# KiCad board poly_kb.kicad_pcb (continued)
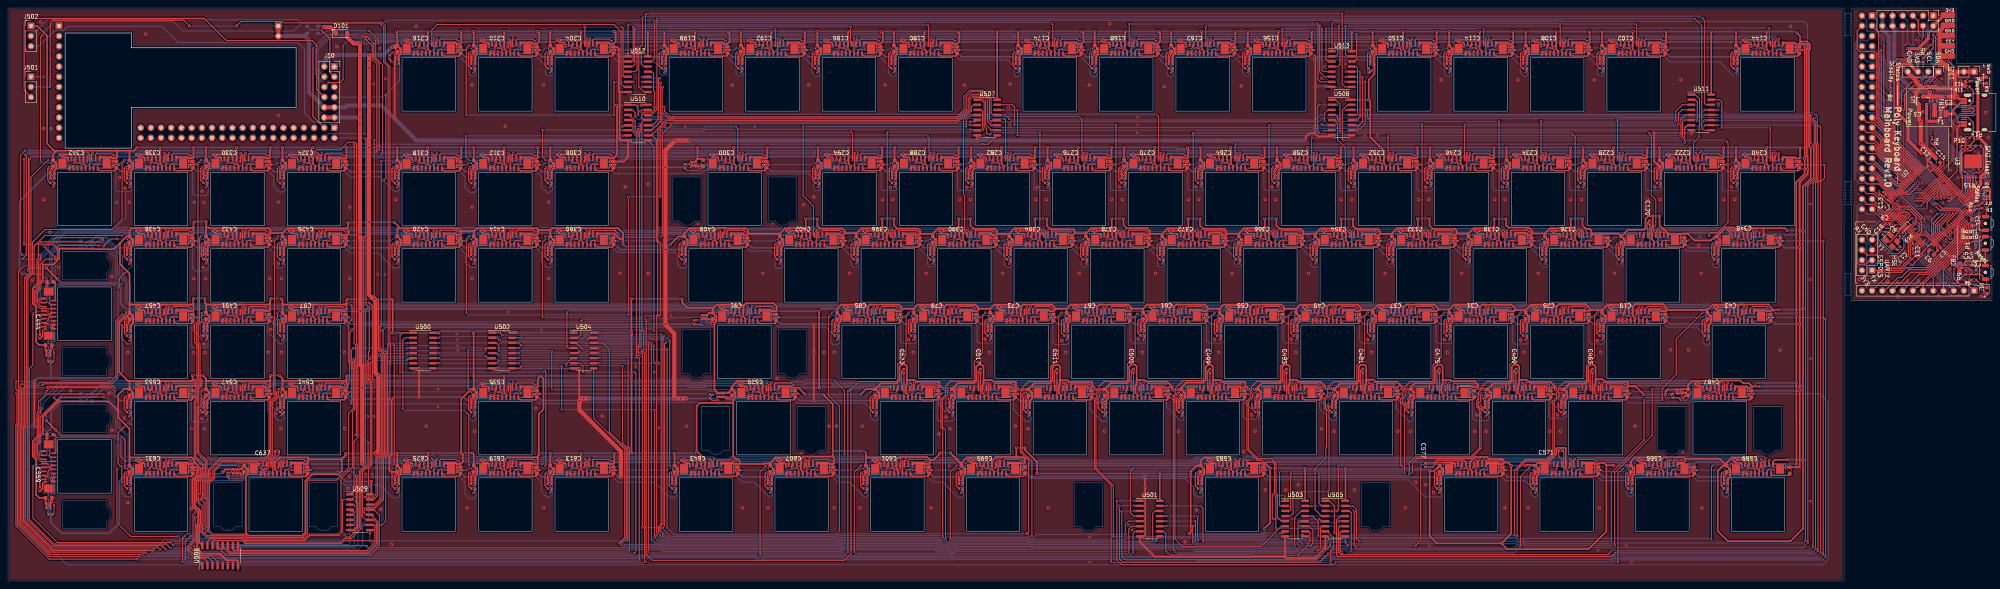
[diagram p0: board, top side]
## Routing (per net, layer and track width the routed paths; a pad name or vN(x,y) marks a point on that pad's centre or on a via; arc(x,y) is an arc through that point) (continued)
NRST: length 31.5
  Top w0.292: SW3.2 491.16,76.48 C1.1 490.06,76.45 R2.2 R9.1 487.33,76.45 v2(485.91,75.03) ; v2(474.47,89.66) 474.47,89.21 U2.14
  Bottom w0.292: v2(474.47,89.66) 474.47,89.58 478.23,85.82 478.23,84.81 477.38,83.96 477.38,81.19 483.49,75.08 485.86,75.08 v2(485.91,75.03)
PB0: length 65
  Top w0.292: v2(481.63,87.95) 481.63,87.94 U2.35
  Bottom w0.292: v2(481.63,87.95) 478.67,90.9 476.5,90.9 470.76,96.63 468.86,96.63 465.38,100.11 465.38,100.9 464.76,101.53 461.22,101.53 460.45,102.3 460.45,133.92 461.22,134.69 462.99,134.69 J7.5
PB1: length 67.6
  Top w0.292: U2.36 483.5,86.77 483.5,86.32 v2(483.69,86.14)
  Bottom w0.292: J7.6 459.96,134.2 459.96,100.25 461.07,99.13 465.66,99.13 468.66,96.14 470.56,96.14 476.3,90.4 478.2,90.4 482.47,86.14 v2(483.69,86.14)
PD10: length 50.9
  Top w0.292: v2(483.02,94.68) 483.48,94.68 U2.57
  Bottom w0.292: v2(483.02,94.68) 483.26,94.68 483.92,95.34 483.92,96.62 475.09,105.45 475.09,120 467.5,127.59 467.5,130.03 J7.7
PD11: length 50.7
  Top w0.292: U2.58 483.59,95.5 v2(483.03,95.5)
  Bottom w0.292: v2(483.03,95.5) 483.03,96.8 474.6,105.23 474.6,119.8 467.01,127.39 467.01,129.75 464.61,132.15 462.84,132.15 J7.8
PD12: length 46.5
  Top w0.292: U2.59 483.64,96.25 482.86,96.25 482.13,95.52 v2(482.13,95.48)
  Bottom w0.292: J7.9 466.52,128.47 466.52,127.18 474.11,119.59 474.11,105.02 482.13,97.01 v2(482.13,95.48)
PD13: length 49.2
  Top w0.292: v2(481.34,95.28) 481.34,95.62 481.95,96.23 482.14,96.23 482.66,96.74 483.42,96.74 U2.60
  Bottom w0.292: J7.10 462.99,129.47 464.68,129.47 466.03,128.12 466.03,126.98 473.62,119.39 473.62,104.82 481.34,97.1 v2(481.34,95.28)
PD14: length 44.9
  Top w0.292: U2.61 483.21,97.24 482.45,97.24 481.94,96.72 481.73,96.72 480.47,95.45 v2(480.47,95.28)
  Bottom w0.292: J7.11 464.19,128.13 473.13,119.18 473.13,104.54 480.47,97.2 v2(480.47,95.28)
PD15: length 47.3
  Top w0.292: v2(479.63,95.22) 479.63,95.38 481.47,97.21 481.74,97.21 482.25,97.73 482.99,97.73 U2.62
  Bottom w0.292: J7.12 462.84,127.07 464.54,127.07 472.63,118.98 472.63,104.3 479.63,97.3 v2(479.63,95.22)
RESET_INDICATOR: length 39.6
  Top w0.292: v2(491.64,72.57) 491.79,72.57 D1.2 ; U2.7 471.34,91.03 471.34,91.82 469.98,93.19 v2(469.98,93.42)
  Bottom w0.292: v2(491.64,72.57) 490.22,73.99 488.17,73.99 486.48,75.68 484.08,75.68 479.36,80.4 479.36,86.57 477.81,88.12 477.69,88.12 476.45,89.37 476.45,89.57 476.11,89.91 476.04,89.91 472.53,93.42 v2(469.98,93.42)
RST1: length 3126
  Top w0.254: 439.4,131.59 J117.11 439.4,135.18 v2(439.45,135.23) ; 353.68,83.96 J107.11 353.68,87.41 353.63,87.45 v2(353.2,87.45) ; 406.06,131.59 J102.11 406.06,135.17 v2(406.12,135.23) ; 387.01,131.59 J103.11 387.01,135.17 v2(387.07,135.23) ; 367.96,131.59 J104.11 367.96,135.17 v2(368.02,135.23) ; 410.82,83.96 J105.11 410.82,87.16 410.73,87.26 410.56,87.26 v2(410.26,87.56) ; 372.73,83.96 J108.11 372.73,87.09 v2(372.29,87.53) ; 391.77,83.96 J106.11 391.77,87.16 391.66,87.27 391.37,87.27 v2(390.95,87.69) ; 348.91,131.59 J118.11 348.91,134.77 v2(348.45,135.23) ; 317.8,131.59 J119.11 317.8,135.17 v2(317.86,135.23) ; 298.75,131.59 J120.11 298.75,135.14 v2(298.81,135.2) ; 279.7,131.59 J121.11 279.7,135.17 v2(279.76,135.23) ; 260.65,131.59 J122.11 260.65,135.17 v2(260.71,135.23) ; 229.69,131.59 J123.11 229.69,135.17 v2(229.75,135.23) ; 210.64,131.59 J124.11 210.64,135.17 v2(210.7,135.23) ; 191.59,131.59 J125.11 191.59,135.17 v2(191.65,135.23) ; 172.54,131.59 J126.11 172.54,134.77 v2(172.08,135.23) ; 144.12,131.59 J127.11 144.12,135.17 v2(144.19,135.23) ; 106.03,131.59 J129.11 106.03,135.17 v2(106.09,135.23) ; 420.35,103.01 J130.11 v2(420.35,106.74) ; 401.3,103.01 J131.11 401.3,106.59 v2(401.36,106.66) ; 382.25,103.01 J132.11 382.25,106.59 v2(382.31,106.66) ; 439.4,103.01 J133.11 439.4,106.61 v2(439.45,106.66) ; 363.2,103.01 J134.11 363.2,106.59 v2(363.26,106.66) ; 344.15,103.01 J135.11 344.15,106.59 v2(344.21,106.66) ; 325.1,103.01 J136.11 325.1,106.59 v2(325.16,106.66) ; 306.05,103.01 J137.11 306.05,106.59 v2(306.11,106.66) ; 287,103.01 J138.11 287,106.59 v2(287.06,106.66) ; 267.95,103.01 J139.11 267.95,106.59 v2(268.01,106.66) ; 248.9,103.01 J140.11 248.9,106.59 v2(248.96,106.66) ; 229.85,103.01 J141.11 229.85,106.59 v2(229.91,106.66) ; 210.8,103.01 J142.11 210.8,106.59 v2(210.86,106.66) ; 182.22,103.01 J143.11 182.22,106.59 v2(182.29,106.66) ; 144.12,103.01 J144.11 144.12,106.19 v2(143.66,106.66) ; 125.07,102.96 J145.11 125.07,106.14 v2(124.61,106.61) ; 106.03,102.96 J146.11 106.03,106.14 v2(105.56,106.61) ; 77.45,102.96 J147.11 77.45,106.25 v2(77.03,106.67) ; 58.4,103.01 J148.11 58.4,106.19 v2(57.94,106.66) ; 39.35,103.01 J149.11 39.35,106.19 v2(38.89,106.66) ; 20.3,103.01 J150.11 20.3,106.19 v2(19.84,106.66) ; 334.62,83.96 J109.11 334.58,83.94 334.58,87.2 334.31,87.48 v2(334.09,87.48) ; 144.12,83.96 J110.11 144.12,87.31 v2(144.09,87.34) ; 315.57,83.96 J111.11 315.53,83.94 315.53,87.2 315.29,87.45 v2(315.06,87.45) ; 296.52,83.96 J112.11 296.52,87.07 296.09,87.5 v2(296,87.5) ; 277.48,83.96 J113.11 277.43,83.94 277.43,87.2 277.19,87.45 v2(277.01,87.45) ; 258.43,83.96 J114.11 258.38,83.94 258.38,87.2 258.14,87.45 v2(257.96,87.45) ; 239.38,83.96 J115.11 239.38,87.07 238.97,87.47 v2(238.91,87.47) ; 220.32,83.96 J116.11 220.32,87.44 220.29,87.47 v2(219.86,87.47) ; 201.27,83.96 J151.11 201.26,83.91 201.26,87.49 v2(201.11,87.64) ; 177.46,83.96 J152.11 177.46,87.18 v2(177.21,87.43) ; 125.07,83.96 J153.11 125.07,87.31 v2(125.06,87.33) ; 106.03,83.96 J154.11 106.03,87.34 v2(106.02,87.35) ; 77.45,83.96 J155.11 77.45,87.32 v2(77.44,87.32) ; 58.4,83.96 J156.11 58.4,87.31 v2(58.4,87.31) ; 39.35,83.96 J157.11 39.35,87.34 v2(39.32,87.38) ; 434.64,83.96 J101.11 434.64,87.31 v2(434.62,87.33) ; 406.06,64.91 J13.11 406.06,68.26 v2(406.06,68.26) ; 387.01,64.91 J14.11 387.01,68.26 v2(386.99,68.29) ; 367.96,64.91 J15.11 367.96,68.26 v2(367.96,68.26) ; 348.91,64.91 J16.11 v2(348.91,68.26) ; 432.26,64.91 J17.11 v2(432.26,68.26) ; 329.86,64.91 J18.11 329.86,68.26 v2(329.85,68.28) ; 310.81,64.91 J19.11 310.81,68.26 v2(310.81,68.26) ; 291.76,64.91 J20.11 291.76,68.26 v2(291.76,68.26) ; 272.71,64.91 J21.11 272.71,68.26 v2(272.71,68.26) ; 253.66,64.91 J22.11 253.66,68.26 v2(253.66,68.26) ; 234.61,64.91 J23.11 234.61,68.26 v2(234.61,68.26) ; 215.56,64.91 J24.11 215.56,68.26 v2(215.56,68.26) ; 184.61,64.91 J25.11 184.61,68.01 v2(184.14,68.48) ; 77.45,64.91 J26.11 77.45,68.25 v2(77.4,68.3) ; 58.4,64.91 J27.11 58.4,68.26 v2(58.37,68.3) ; 39.35,64.91 J28.11 39.35,68.26 v2(39.35,68.26) ; 396.54,45.86 J29.11 396.54,49.04 v2(396.1,49.48) ; 377.49,45.86 J30.11 377.44,45.84 377.44,49.04 v2(377.09,49.39) ; 358.44,45.86 J31.11 358.44,48.98 v2(357.94,49.47) ; 339.39,45.86 J32.11 339.34,45.84 339.34,49.1 339.02,49.42 v2(338.9,49.42) ; 427.49,45.86 J33.11 427.49,49.02 v2(427.16,49.35) ; 320.34,45.86 J34.11 320.34,48.96 v2(319.87,49.43) ; 301.29,45.86 J35.11 301.29,48.96 v2(300.83,49.43) ; 282.24,45.86 J36.11 282.19,45.84 282.19,49.07 v2(281.84,49.43) ; 263.19,45.86 J37.11 263.19,49.37 263.16,49.4 v2(262.72,49.4) ; 244.14,45.86 J38.11 244.09,45.84 244.09,49.1 243.85,49.35 v2(243.67,49.35) ; 225.09,45.86 J39.11 225.09,49.04 v2(224.62,49.51) ; 189.37,45.86 J40.11 189.37,48.98 v2(188.89,49.46) ; 125.07,45.86 J41.11 125.07,49.04 v2(124.61,49.51) ; 77.45,45.86 J42.11 77.45,49.21 v2(77.45,49.21) ; 58.4,45.86 J43.11 58.4,49.21 v2(58.4,49.21) ; 39.35,45.86 J44.11 39.35,49.21 v2(39.34,49.23) ; 413.21,26.81 J46.11 413.21,30.15 v2(413.16,30.2) ; 389.39,26.81 J47.11 389.39,30.32 389.36,30.35 v2(388.93,30.35) ; 365.58,26.81 J48.11 365.58,30.15 v2(365.52,30.21) ; 306.05,26.81 J49.11 306.05,29.91 v2(305.59,30.38) ; 437.02,26.81 J50.11 437.02,29.96 v2(436.56,30.43) ; 246.52,26.81 J51.11 246.52,30.05 v2(246.3,30.28) ; 222.71,26.81 J52.11 222.71,30.04 v2(222.47,30.28) ; 198.89,26.81 J53.11 198.89,30.28 198.87,30.3 v2(198.44,30.3) ; 144.12,26.81 J54.11 144.12,29.99 v2(143.66,30.46) ; 125.07,26.81 J55.11 125.07,30.16 v2(125.06,30.18) ; 106.03,26.81 J56.11 106.03,29.99 v2(105.56,30.46) ; 67.93,26.81 J58.11 67.93,30.17 v2(67.92,30.18) ; 39.35,26.81 J57.11 v2(39.35,30.16) ; 175.08,26.81 J59.11 175.08,30.33 175.03,30.38 v2(174.59,30.38) ; 11.28,67.91 J158.11 8.08,67.91 6.61,69.38 6.61,72.41 7.42,73.21 7.42,73.84 7.22,74.04 7.22,79.91 v2(7.55,80.24) 7.55,83.94 8.16,84.55 v2(23.04,84.55) ; 125.08,131.59 J128.11 125.08,134.77 v2(124.61,135.23) ; 11.29,29.83 J45.11 8.09,29.83 6.62,31.29 6.62,34.32 7.43,35.12 7.43,35.76 7.23,35.96 7.23,41.82 v2(7.56,42.15) 7.56,44.71 9.48,46.63 v2(23.77,46.63) ; v2(85.01,49.72) 85.01,54.4 84.72,54.68 84.72,64.3 85.64,65.22 85.64,68.46 v2(85.34,68.77) ; v2(91.84,106.87) 91.84,128.88 90.68,130.05 90.68,133.5 v2(88.97,135.2) ; v2(3.55,80.28) 4.54,81.27 4.54,105.95 v2(4.21,106.29)
  Bottom w0.254: 334.18,106.92 343.94,106.92 v2(344.21,106.66) 344.21,106.56 344.69,106.08 345.21,106.08 346.04,106.92 352.88,106.92 352.89,106.92 362.99,106.92 v2(363.26,106.66) 363.26,106.56 363.74,106.08 364.26,106.08 365.09,106.92 371.93,106.92 371.94,106.92 382.04,106.92 v2(382.31,106.66) 382.31,106.56 382.79,106.08 383.31,106.08 384.14,106.92 390.98,106.92 390.99,106.92 401.09,106.92 v2(401.36,106.66) 401.36,106.56 401.84,106.08 402.36,106.08 403.19,106.92 410.03,106.92 410.04,106.92 420.16,106.92 v2(420.35,106.74) 421.89,106.74 422.07,106.92 439.19,106.92 v2(439.45,106.66) ; 334.18,106.92 334.17,106.92 326.99,106.92 326.16,106.08 325.64,106.08 325.16,106.56 v2(325.16,106.66) 324.89,106.92 314.79,106.92 314.78,106.92 307.94,106.92 307.11,106.08 306.59,106.08 306.11,106.56 v2(306.11,106.66) 305.84,106.92 294.3,106.92 294.29,106.91 ; 334.18,106.92 333.84,106.92 ; 171.91,106.92 172.27,106.92 ; 172.27,106.92 182.02,106.92 v2(182.29,106.66) 182.29,106.56 182.77,106.08 183.28,106.08 184.12,106.92 201.07,106.92 201.08,106.92 ; 172.27,106.92 172.27,106.92 146.02,106.92 145.18,106.08 144.67,106.08 144.09,106.66 v2(143.66,106.66) 143.4,106.92 133.81,106.92 133.76,106.87 126.97,106.87 126.13,106.04 125.62,106.04 125.04,106.61 v2(124.61,106.61) 124.35,106.87 114.76,106.87 114.76,106.87 107.92,106.87 107.08,106.04 106.57,106.04 105.99,106.61 v2(105.56,106.61) 105.3,106.87 v2(91.84,106.87) 79.34,106.87 78.51,106.04 77.99,106.04 77.36,106.67 v2(77.03,106.67) 76.82,106.87 67.14,106.87 67.13,106.88 66.99,106.88 66.96,106.92 60.29,106.92 59.46,106.08 58.94,106.08 58.37,106.66 v2(57.94,106.66) 57.67,106.92 48.09,106.92 48.08,106.92 41.24,106.92 40.41,106.08 39.89,106.08 39.32,106.66 v2(38.89,106.66) 38.62,106.92 29.22,106.92 29.21,106.92 22.19,106.92 21.36,106.08 20.84,106.08 20.27,106.66 v2(19.84,106.66) 19.57,106.92 4.85,106.92 v2(4.21,106.29) ; J10.4 77.24,127.23 77.24,132.59 80.15,135.5 87.51,135.5 87.81,135.2 88.34,135.2 88.7,135.56 105.76,135.56 v2(106.09,135.23) 106.09,135.14 106.57,134.66 107.08,134.66 107.92,135.49 112.55,135.49 112.56,135.5 114.61,135.5 114.61,135.5 124.35,135.5 v2(124.61,135.23) 125.04,135.23 125.62,134.66 126.13,134.66 126.97,135.49 143.93,135.49 v2(144.19,135.23) 144.19,135.14 144.67,134.66 145.18,134.66 146.02,135.49 150.65,135.49 150.66,135.5 158.94,135.5 159.03,135.41 166.06,135.41 166.15,135.5 171.81,135.5 v2(172.08,135.23) 172.51,135.23 173.08,134.66 173.6,134.66 174.35,135.41 181.12,135.41 181.21,135.49 191.39,135.49 v2(191.65,135.23) 191.65,135.14 192.13,134.66 192.65,134.66 193.4,135.41 210.53,135.41 v2(210.7,135.23) 210.7,135.14 211.18,134.66 211.7,134.66 212.45,135.41 229.58,135.41 v2(229.75,135.23) 229.75,135.14 230.23,134.66 230.75,134.66 231.5,135.41 250.21,135.41 250.3,135.5 250.56,135.5 ; 308.53,135.38 300.53,135.38 299.81,134.66 298.92,134.66 298.81,134.77 v2(298.81,135.2) 298.63,135.38 281.48,135.38 280.76,134.66 280.24,134.66 279.76,135.14 v2(279.76,135.23) 279.58,135.41 270.74,135.41 ; 308.53,135.38 308.33,135.38 ; 308.53,135.38 317.71,135.38 v2(317.86,135.23) 317.86,135.14 318.34,134.66 318.86,134.66 319.69,135.49 335.32,135.49 335.41,135.4 336.27,135.4 336.36,135.5 338.85,135.5 ; v2(23.77,46.63) 23.86,46.63 27.81,42.68 27.81,38.44 29.87,36.38 29.87,31.1 30.24,30.72 38.79,30.72 v2(39.35,30.16) 39.9,29.61 40.8,29.61 41.56,30.37 46.78,30.37 46.9,30.25 62.82,30.25 63.11,30.53 67.56,30.53 v2(67.92,30.18) 67.92,29.74 68.05,29.61 68.97,29.61 69.73,30.38 95.37,30.38 95.71,30.72 105.3,30.72 v2(105.56,30.46) 105.99,30.46 106.57,29.88 107.08,29.88 107.92,30.72 115.17,30.72 115.28,30.6 124.63,30.6 v2(125.06,30.18) 125.58,29.65 126.13,29.65 126.83,30.35 130.98,30.35 131,30.37 131.54,30.37 131.56,30.35 133.26,30.35 133.63,30.72 143.4,30.72 v2(143.66,30.46) 144.09,30.46 144.67,29.88 145.18,29.88 146.02,30.72 164.76,30.72 164.77,30.72 172.19,30.72 172.35,30.56 174.41,30.56 v2(174.59,30.38) 175.08,29.88 176.86,29.88 177.05,30.07 179.5,30.07 180.04,30.6 198.14,30.6 v2(198.44,30.3) 198.92,29.83 199.95,29.83 200.31,30.19 204.35,30.19 204.76,30.61 216.37,30.61 216.38,30.6 222.15,30.6 v2(222.47,30.28) 223.03,29.72 223.85,29.72 224.45,30.32 228.58,30.32 228.63,30.37 229.17,30.37 229.22,30.32 236.03,30.32 236.31,30.6 245.97,30.6 v2(246.3,30.28) 246.96,29.61 247.29,29.61 248.16,30.48 253.51,30.48 254.37,29.61 294.85,29.61 295.79,30.55 305.41,30.55 v2(305.59,30.38) 306.08,29.88 307.68,29.88 308.52,30.73 309.49,30.73 309.7,30.53 355.42,30.53 355.49,30.59 365.14,30.59 v2(365.52,30.21) 365.99,29.74 366.64,29.74 367.42,30.53 388.75,30.53 v2(388.93,30.35) 389.4,29.88 390.45,29.88 390.97,30.4 404.63,30.4 404.95,30.72 412.64,30.72 v2(413.16,30.2) 413.72,29.64 414.77,29.64 414.95,29.82 415,29.82 415.25,30.06 415.26,30.06 415.91,30.71 417.65,30.71 417.85,30.5 431.81,30.5 431.91,30.6 436.38,30.6 v2(436.56,30.43) ; 270.74,135.41 262.45,135.41 261.71,134.66 261.19,134.66 260.71,135.14 v2(260.71,135.23) 260.53,135.41 252.02,135.41 251.93,135.5 250.56,135.5 ; 270.74,135.41 270.18,135.41 ; 250.34,135.5 250.56,135.5 ; 338.85,135.5 338.6,135.5 ; 338.85,135.5 348.18,135.5 v2(348.45,135.23) 348.88,135.23 349.45,134.66 349.97,134.66 350.8,135.49 357.92,135.49 357.93,135.5 ; 357.93,135.5 357.65,135.5 ; 357.93,135.5 367.76,135.5 v2(368.02,135.23) 368.02,135.14 368.5,134.66 369.02,134.66 369.85,135.49 376.69,135.49 376.7,135.5 386.81,135.5 v2(387.07,135.23) 387.07,135.14 387.55,134.66 388.07,134.66 388.9,135.49 405.86,135.49 v2(406.12,135.23) 406.12,135.14 406.6,134.66 407.12,134.66 407.95,135.49 439.19,135.49 v2(439.45,135.23) 439.46,135.22 439.46,135.14 ; 114.76,49.77 114.88,49.77 ; 114.88,49.77 124.35,49.77 v2(124.61,49.51) 125.04,49.51 125.62,48.93 126.13,48.93 126.97,49.77 169.27,49.77 169.89,49.15 173.25,49.15 173.76,49.65 188.69,49.65 v2(188.89,49.46) 189.41,48.93 191.13,48.93 191.32,49.12 195.02,49.12 195.32,49.43 198.33,49.43 198.47,49.56 205.36,49.56 205.67,49.25 221.44,49.25 221.77,49.58 224.56,49.58 v2(224.62,49.51) 225.38,48.75 225.94,48.75 226.77,49.58 243.45,49.58 v2(243.67,49.35) 244.37,48.66 245.3,48.66 246.22,49.58 262.55,49.58 v2(262.72,49.4) 263.46,48.67 264.04,48.67 264.92,49.56 278.85,49.56 278.87,49.58 281.69,49.58 v2(281.84,49.43) 281.84,49.3 282.47,48.66 283.28,48.66 284.22,49.6 300.65,49.6 v2(300.83,49.43) 300.83,49.36 301.52,48.66 302.07,48.66 302.99,49.58 319.72,49.58 v2(319.87,49.43) 320.51,48.79 321.07,48.79 321.86,49.58 338.74,49.58 v2(338.9,49.42) 339.66,48.66 340.16,48.66 341.11,49.61 357.81,49.61 v2(357.94,49.47) 357.94,49.39 358.67,48.66 359.22,48.66 360.19,49.63 376.85,49.63 v2(377.09,49.39) 377.09,49.3 377.72,48.66 378.53,48.66 379.49,49.63 395.95,49.63 v2(396.1,49.48) 396.87,48.71 397.37,48.71 398.28,49.63 422.52,49.63 422.53,49.64 424.82,49.64 424.82,49.63 426.88,49.63 v2(427.16,49.35) ; 114.88,49.77 114.87,49.77 91.57,49.77 91.25,49.44 90.35,49.44 89.76,50.03 85.31,50.03 v2(85.01,49.72) 84.72,49.72 84.42,49.42 83.69,49.42 83.17,48.89 79.2,48.89 79.03,48.71 77.95,48.71 v2(77.45,49.21) 77.03,49.63 64.56,49.63 64.27,49.34 63.95,49.34 63.46,48.84 60.08,48.84 59.9,48.66 58.95,48.66 v2(58.4,49.21) 57.99,49.62 46.94,49.62 46.63,49.93 46.06,49.93 45.73,49.6 41.34,49.6 40.4,48.66 39.9,48.66 v2(39.34,49.23) 38.96,49.6 14.01,49.6 8.69,44.28 8.69,42.84 7.99,42.15 v2(7.56,42.15) ; 294.29,106.91 294.3,106.92 ; 294.29,106.91 288.89,106.91 288.06,106.08 287.54,106.08 287.06,106.56 v2(287.06,106.66) 286.79,106.92 276.69,106.92 276.68,106.92 269.84,106.92 269.01,106.08 268.49,106.08 268.01,106.56 v2(268.01,106.66) 267.74,106.92 257.64,106.92 257.63,106.92 250.79,106.92 249.96,106.08 249.44,106.08 248.96,106.56 v2(248.96,106.66) 248.69,106.92 238.59,106.92 238.58,106.92 231.74,106.92 230.91,106.08 230.39,106.08 229.91,106.56 v2(229.91,106.66) 229.64,106.92 219.54,106.92 219.53,106.92 212.69,106.92 211.86,106.08 211.34,106.08 210.86,106.56 v2(210.86,106.66) 210.59,106.92 201.08,106.92 ; v2(23.04,84.55) 23.15,84.43 24.54,84.43 27.8,81.17 27.8,76.27 29.7,74.37 29.7,69.89 30.89,68.7 38.91,68.7 v2(39.35,68.26) 39.87,67.74 40.4,67.74 41.34,68.68 53.42,68.68 53.42,68.68 55.71,68.68 55.71,68.68 57.98,68.68 v2(58.37,68.3) 58.92,67.74 59.85,67.74 60.03,67.92 63.61,67.92 64.17,68.48 64.78,68.48 64.95,68.65 77.05,68.65 v2(77.4,68.3) 77.97,67.74 79.2,67.74 79.38,67.92 82.86,67.92 83.71,68.77 v2(85.34,68.77) 89.99,68.77 90.08,68.68 179.62,68.68 179.62,68.68 181.91,68.68 181.93,68.65 183.97,68.65 v2(184.14,68.48) 184.63,67.98 185.67,67.98 186.36,68.68 210.61,68.68 210.62,68.69 212.9,68.69 212.92,68.68 215.15,68.68 v2(215.56,68.26) 216.11,67.71 216.85,67.71 217.79,68.65 229.6,68.65 229.62,68.68 231.91,68.68 231.91,68.68 234.2,68.68 v2(234.61,68.26) 235.16,67.71 235.89,67.71 236.86,68.68 253.25,68.68 v2(253.66,68.26) 254.21,67.71 254.95,67.71 255.94,68.7 272.27,68.7 v2(272.71,68.26) 273.26,67.71 273.98,67.71 274.95,68.68 286.78,68.68 291.34,68.68 v2(291.76,68.26) 292.31,67.71 292.88,67.71 293.82,68.65 305.75,68.65 305.76,68.65 308.04,68.65 310.42,68.65 v2(310.81,68.26) 311.36,67.71 311.95,67.71 312.92,68.68 329.45,68.68 v2(329.85,68.28) 330.41,67.71 331.16,67.71 332.11,68.66 343.87,68.66 343.88,68.66 346.16,68.66 346.17,68.66 348.52,68.66 v2(348.91,68.26) 349.46,67.71 350.18,67.71 351.17,68.7 367.52,68.7 v2(367.96,68.26) 368.51,67.71 369.25,67.71 370.2,68.65 382,68.65 382.02,68.68 384.31,68.68 384.31,68.68 386.59,68.68 v2(386.99,68.29) 387.56,67.71 388.43,67.71 389.42,68.7 405.62,68.7 v2(406.06,68.26) 406.61,67.71 407.41,67.71 408.3,68.6 422.13,68.6 422.21,68.68 431.84,68.68 v2(432.26,68.26) ; 201.08,106.92 200.49,106.92 ; v2(3.55,80.28) 3.58,80.24 5.56,80.24 ; 5.56,80.24 v2(7.55,80.24) 7.8,80.24 10.03,82.48 10.03,83.56 11.1,84.62 11.64,84.62 14.04,87.03 26.8,87.03 27.48,87.71 34.32,87.71 34.34,87.72 36.62,87.72 36.64,87.71 38.99,87.71 v2(39.32,87.38) 39.88,86.81 40.4,86.81 41.32,87.73 53.42,87.73 57.98,87.73 v2(58.4,87.31) 58.92,86.79 59.45,86.79 60.37,87.7 71.16,87.7 71.17,87.71 72.4,87.71 72.41,87.71 74.78,87.71 74.81,87.68 77.09,87.68 v2(77.44,87.32) 78,86.76 78.5,86.76 79.14,87.4 83.83,87.4 84.16,87.73 101.03,87.73 101.03,87.73 103.32,87.73 103.32,87.73 105.64,87.73 v2(106.02,87.35) 106.58,86.79 107.3,86.79 107.47,86.97 111.44,86.97 112.22,87.75 124.63,87.75 v2(125.06,87.33) 125.6,86.79 126.13,86.79 126.92,87.58 137.72,87.58 137.85,87.71 139.08,87.71 139.09,87.71 141.37,87.71 141.38,87.7 143.73,87.7 v2(144.09,87.34) 144.64,86.79 145.65,86.79 145.83,86.97 161.3,86.97 162.03,87.7 172.45,87.7 172.48,87.73 174.76,87.73 174.79,87.7 176.94,87.7 v2(177.21,87.43) 177.88,86.76 178.89,86.76 179.64,87.52 183.38,87.52 183.42,87.55 194.11,87.55 194.44,87.87 200.88,87.87 v2(201.11,87.64) 201.11,87.21 201.46,86.86 202.09,86.86 202.84,87.61 219.73,87.61 v2(219.86,87.47) 220.51,86.83 221.18,86.83 221.72,87.37 226.1,87.37 226.34,87.61 238.78,87.61 v2(238.91,87.47) 239.62,86.76 240.16,86.76 241,87.6 257.81,87.6 v2(257.96,87.45) 258.65,86.76 259.21,86.76 260,87.55 276.91,87.55 v2(277.01,87.45) 277.69,86.76 278.25,86.76 279.04,87.55 295.95,87.55 v2(296,87.5) 296.74,86.76 297.31,86.76 298.05,87.5 302.43,87.5 302.45,87.52 302.99,87.52 303.01,87.5 315,87.5 v2(315.06,87.45) 315.74,86.76 316.36,86.76 317.13,87.53 334.04,87.53 v2(334.09,87.48) 334.8,86.76 335.41,86.76 336.25,87.6 353.05,87.6 v2(353.2,87.45) 353.89,86.76 354.46,86.76 355.25,87.55 372.27,87.55 v2(372.29,87.53) 372.94,86.88 374.32,86.88 374.5,87.06 377.85,87.06 378.31,87.52 390.78,87.52 v2(390.95,87.69) 391.39,87.25 392.04,87.25 392.27,87.47 392.87,87.47 392.96,87.56 v2(410.26,87.56) 410.6,87.23 411.2,87.23 411.68,87.7 429.58,87.7 429.58,87.71 431.87,87.71 431.87,87.7 434.25,87.7 v2(434.62,87.33) ; 5.56,80.24 5.56,80.25
SCK1: length 4174
  Top w0.254: v2(442.11,132.52) 440.78,132.52 440.4,132.14 J117.13 ; v2(356.38,84.9) 355.06,84.9 354.68,84.51 J107.13 ; v2(408.77,132.52) 407.44,132.52 407.06,132.14 J102.13 ; v2(389.72,132.52) 388.39,132.52 388.01,132.14 J103.13 ; v2(370.67,132.52) 369.34,132.52 368.96,132.14 J104.13 ; v2(413.53,84.9) 412.21,84.9 411.82,84.51 J105.13 ; v2(375.43,84.9) 374.11,84.9 373.73,84.51 J108.13 ; v2(394.48,84.9) 393.16,84.9 392.77,84.51 J106.13 ; v2(351.62,132.52) 350.29,132.52 349.91,132.14 J118.13 ; v2(320.51,132.52) 319.18,132.52 318.8,132.14 J119.13 ; v2(301.46,132.52) 300.13,132.52 299.75,132.14 J120.13 ; v2(282.41,132.52) 281.08,132.52 280.7,132.14 J121.13 ; v2(263.36,132.52) 262.03,132.52 261.65,132.14 J122.13 ; v2(232.4,132.52) 231.07,132.52 230.69,132.14 J123.13 ; v2(213.35,132.52) 212.02,132.52 211.64,132.14 J124.13 ; v2(194.3,132.52) 192.97,132.52 192.59,132.14 J125.13 ; v2(175.25,132.52) 173.92,132.52 173.54,132.14 J126.13 ; v2(146.83,132.52) 145.51,132.52 145.12,132.14 J127.13 ; v2(108.73,132.52) 107.41,132.52 107.03,132.14 J129.13 ; v2(423.06,103.94) 421.73,103.94 421.35,103.56 J130.13 ; v2(404.01,103.94) 402.68,103.94 402.3,103.56 J131.13 ; v2(384.96,103.94) 383.63,103.94 383.25,103.56 J132.13 ; v2(442.11,103.94) 440.78,103.94 440.4,103.56 J133.13 ; v2(365.91,103.94) 364.58,103.94 364.2,103.56 J134.13 ; v2(346.86,103.94) 345.53,103.94 345.15,103.56 J135.13 ; v2(327.81,103.94) 326.48,103.94 326.1,103.56 J136.13 ; v2(308.76,103.94) 307.43,103.94 307.05,103.56 J137.13 ; v2(289.71,103.94) 288.38,103.94 288,103.56 J138.13 ; v2(270.66,103.94) 269.33,103.94 268.95,103.56 J139.13 ; v2(251.61,103.94) 250.28,103.94 249.9,103.56 J140.13 ; v2(232.56,103.94) 231.23,103.94 230.85,103.56 J141.13 ; v2(213.51,103.94) 212.18,103.94 211.8,103.56 J142.13 ; v2(184.93,103.94) 183.61,103.94 183.22,103.56 J143.13 ; v2(146.83,103.94) 145.51,103.94 145.12,103.56 J144.13 ; v2(127.78,103.9) 126.46,103.9 126.07,103.51 J145.13 ; v2(108.73,103.9) 107.41,103.9 107.03,103.51 J146.13 ; v2(80.16,103.9) 78.83,103.9 78.45,103.51 J147.13 ; v2(61.11,103.94) 59.78,103.94 59.4,103.56 J148.13 ; v2(42.06,103.94) 40.73,103.94 40.35,103.56 J149.13 ; v2(23.01,103.94) 21.68,103.94 21.3,103.56 J150.13 ; v2(337.33,84.9) 336.01,84.9 335.62,84.51 J109.13 ; v2(146.83,84.9) 145.51,84.9 145.12,84.51 J110.13 ; v2(318.28,84.9) 316.96,84.9 316.57,84.51 J111.13 ; v2(299.23,84.9) 297.91,84.9 297.52,84.51 J112.13 ; v2(280.18,84.9) 278.86,84.9 278.48,84.51 J113.13 ; v2(261.13,84.9) 259.81,84.9 259.43,84.51 J114.13 ; v2(242.08,84.9) 240.76,84.9 240.38,84.51 J115.13 ; v2(223.03,84.9) 221.71,84.9 221.32,84.51 J116.13 ; v2(203.98,84.9) 202.66,84.9 202.27,84.51 J151.13 ; v2(180.17,84.9) 178.84,84.9 178.46,84.51 J152.13 ; v2(127.78,84.9) 126.46,84.9 126.07,84.51 J153.13 ; v2(108.73,84.9) 107.41,84.9 107.03,84.51 J154.13 ; v2(80.16,84.89) 78.83,84.89 78.45,84.51 J155.13 ; v2(61.11,84.89) 59.78,84.89 59.4,84.51 J156.13 ; v2(42.06,84.89) 40.73,84.89 40.35,84.51 J157.13 ; v2(437.35,84.9) 436.02,84.9 435.64,84.51 J101.13 ; v2(408.77,65.84) 407.44,65.84 407.06,65.46 J13.13 ; v2(389.72,65.84) 388.39,65.84 388.01,65.46 J14.13 ; v2(370.67,65.84) 369.34,65.84 368.96,65.46 J15.13 ; v2(351.62,65.84) 350.29,65.84 349.91,65.46 J16.13 ; v2(434.97,65.84) 433.64,65.84 433.26,65.46 J17.13 ; v2(332.57,65.84) 331.24,65.84 330.86,65.46 J18.13 ; v2(313.52,65.84) 312.19,65.84 311.81,65.46 J19.13 ; v2(294.47,65.84) 293.14,65.84 292.76,65.46 J20.13 ; v2(275.42,65.84) 274.09,65.84 273.71,65.46 J21.13 ; v2(256.37,65.84) 255.04,65.84 254.66,65.46 J22.13 ; v2(237.32,65.84) 235.99,65.84 235.61,65.46 J23.13 ; v2(218.27,65.84) 216.94,65.84 216.56,65.46 J24.13 ; v2(187.32,65.84) 185.99,65.84 185.61,65.46 J25.13 ; v2(61.11,65.84) 59.78,65.84 59.4,65.46 J27.13 ; v2(42.06,65.84) 40.73,65.84 40.35,65.46 J28.13 ; v2(399.25,46.79) 397.92,46.79 397.54,46.41 J29.13 ; v2(380.2,46.79) 378.87,46.79 378.49,46.41 J30.13 ; v2(361.15,46.79) 359.82,46.79 359.44,46.41 J31.13 ; v2(342.1,46.79) 340.77,46.79 340.39,46.41 J32.13 ; v2(430.2,46.79) 428.88,46.79 428.49,46.41 J33.13 ; v2(323.05,46.79) 321.72,46.79 321.34,46.41 J34.13 ; v2(304,46.79) 302.67,46.79 302.29,46.41 J35.13 ; v2(284.95,46.79) 283.62,46.79 283.24,46.41 J36.13 ; v2(265.9,46.79) 264.57,46.79 264.19,46.41 J37.13 ; v2(246.85,46.79) 245.52,46.79 245.14,46.41 J38.13 ; v2(227.8,46.79) 226.47,46.79 226.09,46.41 J39.13 ; v2(192.08,46.79) 190.75,46.79 190.37,46.41 J40.13 ; v2(127.78,46.79) 126.46,46.79 126.07,46.41 J41.13 ; v2(80.16,46.79) 78.83,46.79 78.45,46.41 J42.13 ; v2(61.11,46.79) 59.78,46.79 59.4,46.41 J43.13 ; v2(42.06,46.79) 40.73,46.79 40.35,46.41 J44.13 ; v2(415.92,27.74) 414.59,27.74 414.21,27.36 J46.13 ; v2(392.1,27.74) 390.78,27.74 390.39,27.36 J47.13 ; v2(368.29,27.74) 366.96,27.74 366.58,27.36 J48.13 ; v2(308.76,27.74) 307.43,27.74 307.05,27.36 J49.13 ; v2(439.73,27.74) 438.4,27.74 438.02,27.36 J50.13 ; v2(249.23,27.74) 247.9,27.74 247.52,27.36 J51.13 ; v2(225.42,27.74) 224.09,27.74 223.71,27.36 J52.13 ; v2(201.6,27.74) 200.28,27.74 199.89,27.36 J53.13 ; v2(146.83,27.74) 145.51,27.74 145.12,27.36 J54.13 ; v2(127.78,27.74) 126.46,27.74 126.07,27.36 J55.13 ; v2(108.73,27.74) 107.41,27.74 107.03,27.36 J56.13 ; v2(70.63,27.74) 69.31,27.74 68.93,27.36 J58.13 ; v2(42.06,27.74) 40.73,27.74 40.35,27.36 J57.13 ; v2(177.79,27.74) 176.46,27.74 176.08,27.36 J59.13 ; J158.13 10.73,68.91 10.35,69.29 v2(10.35,70.62) ; v2(27.39,73.08) 27.69,73.38 27.69,75.38 v2(29.05,76.75) ; J128.13 126.08,132.14 126.46,132.52 v2(127.79,132.52) ; J45.13 10.74,30.83 10.36,31.21 v2(10.36,32.54) ; v2(94.08,121.32) 94.08,100.38 v2(93.52,99.82) ; v2(9.09,83.3) 11.55,80.84 v2(11.7,80.84) ; v2(27.39,30.44) 27.39,29.31 28.32,28.38 v2(28.32,24.65) ; v2(85.26,44.18) 85.59,44.51 85.59,52.8 85.46,52.92 85.46,54.49 85.11,54.84 85.11,62.09 v2(85.62,62.6) ; v2(27.39,35) 27.39,36.92 v2(28.77,38.29) ; v2(28.32,63.74) 28.32,60.46 v2(29.69,59.09) ; J26.13 78.45,65.8 78.46,65.81 v2(80.17,65.81)